# Altium PCB Copy of BGA_ACUity.PcbDoc (part 3 of 5)
Units mm, origin at the board's own origin, x right, y up, seen from the top; angles counter-clockwise.
Board outline 100 x 100.02 mm, 4 copper layers (TopSignal, Ground, Power, BottomSignal), stack 1.564 mm thick; 444 components, 319 nets, 2039 pads, 69 vias.
Unrouted connection lines stored in the file: 749.
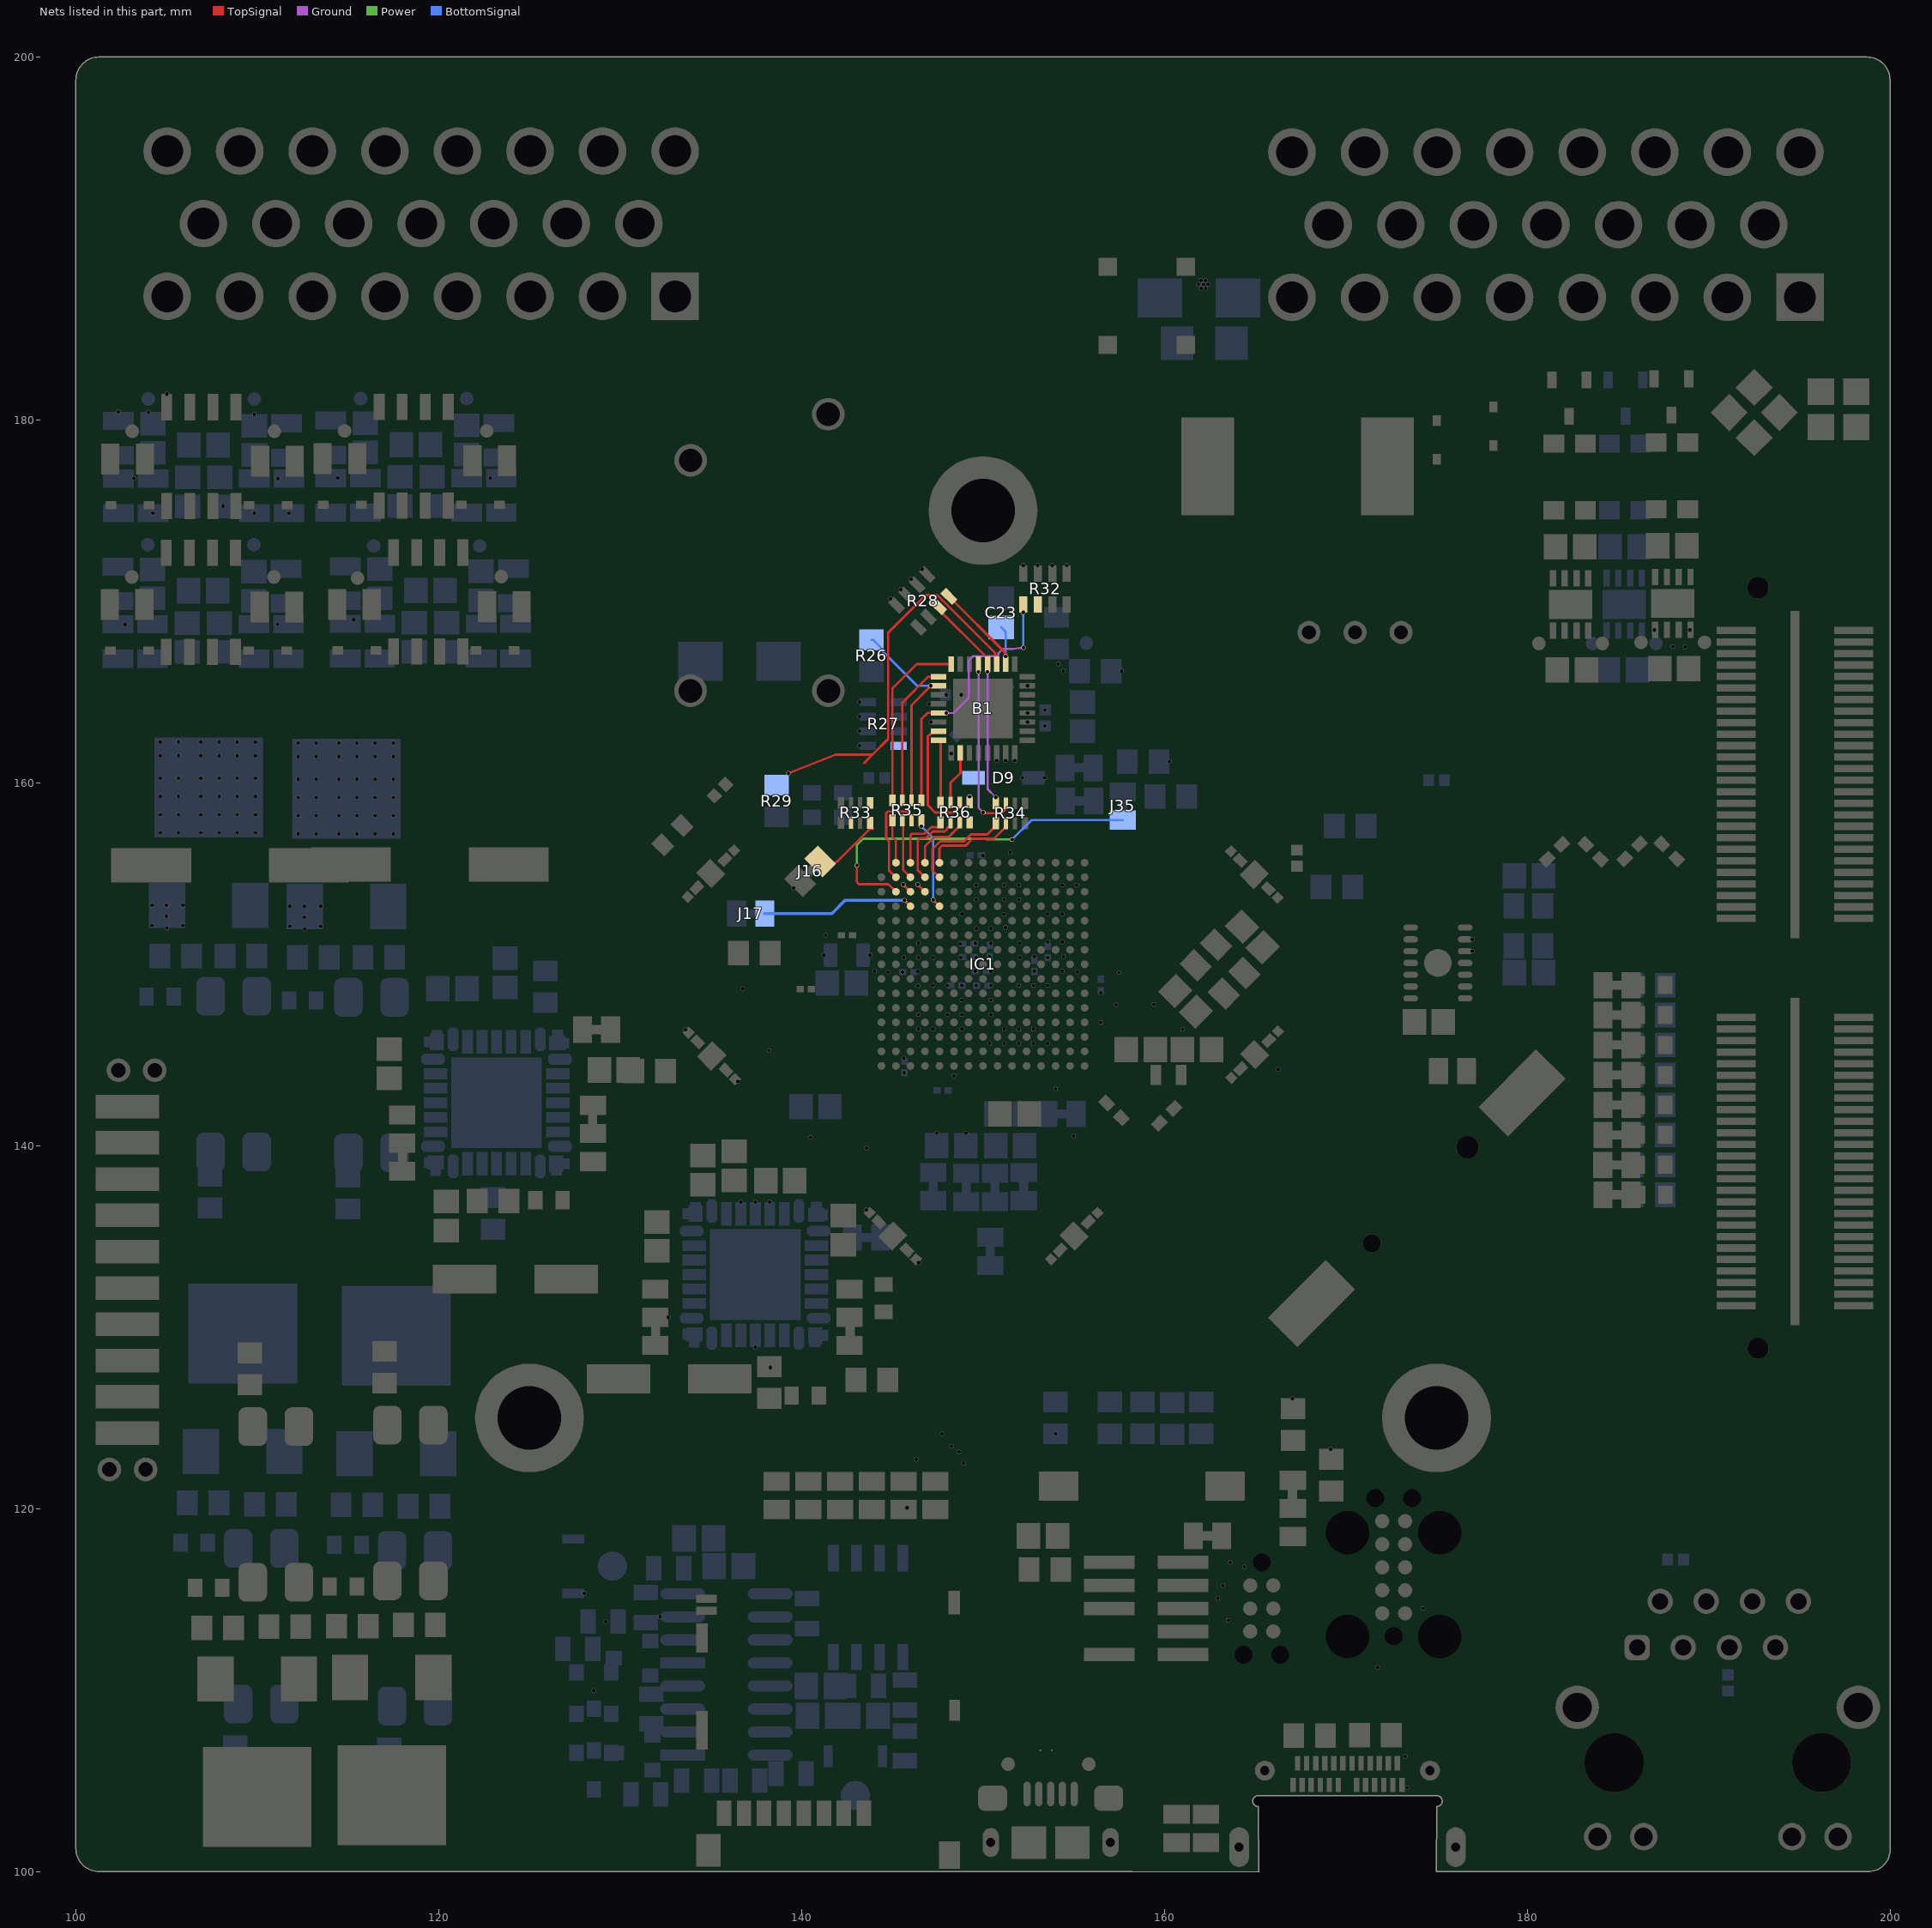
[diagram p5: the nets of this part, all layers, seen from the top]

## Footprints (in the part's own frame and the unit in brackets; to place one, negate y for a bottom-side part, rotate by r counter-clockwise, add the part's x,y. Pads: shape width x height; smd on the part's side, far side on the other; paste and mask are expansions set on the pad) (continued)
SOIC127P600X175-8N [mm] "SOIC, 8-Leads, Body 4.91x3.90mm, Pitch 1.27mm, IPC Medium Density"
  rect 1.45x0.6 smd: 1(-2.725,1.905) 2(-2.725,0.635) 3(-2.725,-0.635) 4(-2.725,-1.905) 5(2.725,-1.905) 6(2.725,-0.635) 7(2.725,0.635) 8(2.725,1.905)
  silkscreen extent -2.85,-2.5 1.6,2.88, body extent -3,-2.5 3,2.5, height 1.75
"Solder Bridge 805" [mm] "Closed Solder Bridge"
  rect 1x0.5 smd: _(0,0)
  rect 1.05x1.45 smd: P0(-0.775,0) P1(0.775,0)
"Solder Bridge 805 Open" [mm] "Open Solder Bridge"
  rect 1.05x1.45 smd: P0(-0.775,0) P1(0.775,0)
"Solder Bridge 805 switch" [mm] "Closed Solder Bridge"
  rect 1x0.5 smd: _(0.013,-0.002)
  rect 1.05x1.45 smd: P0(-0.775,0.025) P1(0.775,0.025) P2(2.324,0.025)
SON50P300X300X100-11N-D [mm]
  rect 1.45x0.3 smd: 1(-1.15,1) 2(-1.15,0.5) 3(-1.15,0) 4(-1.15,-0.5) 5(-1.15,-1) 6(1.15,-1) 7(1.15,-0.5) 8(1.15,0) 9(1.15,0.5) 10(1.15,1)
  rect 0.3x1.6 smd: 11(0,0)
  silkscreen extent -2,1.53 -1.75,1.77, body extent -1.55,-1.5 1.55,1.5, height 1
SON65P300X300X100-9N-D [mm]
  rect 0.9x0.35 smd: 1(-1.45,0.975) 2(-1.45,0.325) 3(-1.45,-0.325) 4(-1.45,-0.975) 5(1.45,-0.975) 6(1.45,-0.325) 7(1.45,0.325) 8(1.45,0.975)
  rect 1.6x2.4 smd: 9(0,0)
  silkscreen extent -2.02,1.52 -1.78,1.77, body extent -1.55,-1.5 1.55,1.5, height 1
SOT23-3_SM24CANB-02HTG_LTF-L [mil]
  rect 20.79x36.75 smd paste+0 mask+0: 1(-37.5,-39.53) 2(37.5,-39.53) 3(0,39.53)
  silkscreen extent -65,-91 65,32, body extent -60,-52 60,52, height 44
SOT230P700X180-4N [mm]
  rect 1.75x0.95 smd: 1(-3.15,2.3) 2(-3.15,0) 3(-3.15,-2.3)
  rect 1.75x3.25 smd: 4(3.15,0)
  silkscreen extent -4.03,-3.25 1.75,3.25, body extent -3.5,-3.25 3.5,3.25, height 1.8
TE_1-2295018-2 [mm]
  rect 0.3x0.8 smd mask+0.05: A1(-2.75,4.63) A2(-2.25,4.63) A3(-1.75,4.63) A4(-1.25,4.63) A5(-0.75,4.63) A6(-0.25,4.63) A7(0.25,4.63) A8(0.75,4.63) A9(1.25,4.63) A10(1.75,4.63) A11(2.25,4.63) A12(2.75,4.63) B1(3,3.43) B2(2.5,3.43) B3(2,3.43) B4(1.5,3.43) B5(1,3.43) B6(0.5,3.43) B7(-0.5,3.43) B8(-1,3.43) B9(-1.5,3.43) B10(-2,3.43) B11(-2.5,3.43) B12(-3,3.43)
  oval 1.1x2.2 hole 0.5 slot 1.6 at 90 deg mask+0.05: S1(-5.97,0) S2(5.97,0)
  round 1.1 hole 0.5 mask+0: S3(-4.55,4.22) S4(4.55,4.22)
  TopSignal region: 184 vertices and 0 holes, not listed, extent -5.1,3.295 -3.5,5.245
  TopSignal region: 184 vertices and 0 holes, not listed, extent 3.5,3.295 5.1,5.245
  BottomSignal region: 184 vertices and 0 holes, not listed, extent -5.1,3.295 -3.5,5.245
  BottomSignal region: 184 vertices and 0 holes, not listed, extent 3.5,3.295 5.1,5.245
  Keep-Out Layer board cut-out: 185 vertices and 0 holes, not listed, extent -4.8,3.495 -3.7,4.945
  Keep-Out Layer board cut-out: 185 vertices and 0 holes, not listed, extent 3.7,3.495 4.8,4.945
  Keep-Out Layer board cut-out: 4.92,2.84 -4.92,2.84 -4.936,2.84 -4.951,2.838 -4.967,2.836 -4.982,2.833 -4.998,2.83 -5.013,2.825 -5.028,2.82 -5.042,2.814 -5.056,2.807 -5.07,2.8 -5.083,2.792 -5.096,2.783 -5.109,2.773 -5.121,2.763 -5.132,2.752 -5.143,2.741 -5.153,2.729 -5.163,2.716 -5.172,2.703 -5.18,2.69 -5.187,2.676 -5.194,2.662 -5.2,2.648 -5.205,2.633 -5.21,2.618 -5.213,2.602 -5.216,2.587 -5.218,2.571 -5.22,2.556 -5.22,2.54 -5.22,2.524 -5.218,2.509 -5.216,2.493 -5.213,2.478 -5.21,2.462 -5.205,2.447 -5.2,2.432 -5.194,2.418 -5.187,2.404 -5.18,2.39 -5.172,2.377 -5.163,2.364 -5.153,2.351 -5.143,2.339 -5.132,2.328 -5.121,2.317 -5.109,2.307 -5.096,2.297 -5.083,2.288 -5.07,2.28 -5.056,2.273 -5.042,2.266 -5.028,2.26 -5.013,2.255 -4.998,2.25 -4.982,2.247 -4.967,2.244 -4.951,2.242 -4.936,2.24 -4.92,2.24 -4.92,-1.36 4.92,-1.36 4.92,2.24 4.936,2.24 4.951,2.242 4.967,2.244 4.982,2.247 4.998,2.25 5.013,2.255 5.028,2.26 5.042,2.266 5.056,2.273 5.07,2.28 5.083,2.288 5.096,2.297 5.109,2.307 5.121,2.317 5.132,2.328 5.143,2.339 5.153,2.351 5.163,2.364 5.172,2.377 5.18,2.39 5.187,2.404 5.194,2.418 5.2,2.432 5.205,2.447 5.21,2.462 5.213,2.478 5.216,2.493 5.218,2.509 5.22,2.524 5.22,2.54 5.22,2.556 5.218,2.571 5.216,2.587 5.213,2.602 5.21,2.618 5.205,2.633 5.2,2.648 5.194,2.662 5.187,2.676 5.18,2.69 5.172,2.703 5.163,2.716 5.153,2.729 5.143,2.741 5.132,2.752 5.121,2.763 5.109,2.773 5.096,2.783 5.083,2.792 5.07,2.8 5.056,2.807 5.042,2.814 5.028,2.82 5.013,2.825 4.998,2.83 4.982,2.833 4.967,2.836 4.951,2.838 4.936,2.84
  silkscreen extent -3.68,4.69 3.68,5.9, body extent -6.07,-3.27 6.07,4.83, height 2.43
"Test Pad Extra Small" [mm] "A small test pad for HF applications"
  round 0.4 smd mask+0.051: P2(0,0)
"Test Pad Miniscule" [mm] "A small test pad for HF applications"
  round 0.1 smd mask+0.051: P2(0,0)
"Test Pad Small"#1 [mm] "A small test pad for HF applications"
  round 0.75 smd mask+0.051: P2(0,0)
"Test Pad Small"#2 [mm] "A small test pad for HF applications"
  round 0.75 smd far side mask+0.051: P2(0,0)
"Test Pad Small"#3 [mm] "A small test pad for HF applications"
  round 0.75 smd far side mask+0.051: P2(0.254,0.09)
TSR1-SINGLE_TRP [mil]
  round 50 / inner round 60 / far side round 50 hole 30 paste-99999 mask+0: 1(0,0) 2(100,0) 3(200,0)
  silkscreen extent -220,-85 335,225, body extent -130,-75 330,220, height 399
VQFN24_RGE_TEX [mm]
  rect 0.783x0.229 smd paste+0 mask+0: 1(-1.953,1.25) 2(-1.953,0.75) 3(-1.953,0.25) 4(-1.953,-0.25) 5(-1.953,-0.75) 6(-1.953,-1.25) 13(1.953,-1.25) 14(1.953,-0.75) 15(1.953,-0.25) 16(1.953,0.25) 17(1.953,0.75) 18(1.953,1.25)
  rect 0.229x0.783 smd paste+0 mask+0: 7(-1.25,-1.953) 8(-0.75,-1.953) 9(-0.25,-1.953) 10(0.25,-1.953) 11(0.75,-1.953) 12(1.25,-1.953) 19(1.25,1.953) 20(0.75,1.953) 21(0.25,1.953) 22(-0.25,1.953) 23(-0.75,1.953) 24(-1.25,1.953)
  rect 2.794x1.549 smd paste+0 mask+0: 25(0,0.625)
  rect 2.794x0.94 smd paste+0 mask+0: 26(0,-0.95)
  silkscreen extent -2.17,-2.85 2.17,2.85, body extent -2.04,-2.04 2.04,2.04, height 0.99
WCAP-ASLL_D4H5.5 [mm] "Aluminium Electrolytic V-Chip SMT Capacitors, 4x5.5mm"
  rect 2.6x1.6 smd: 1(1.8,0) 2(-1.8,0)
  silkscreen extent -2.25,-2.25 2.25,2.25, body extent -2.5,-2.15 2.5,2.15, height 5.5
WCAP-ASLL_D6.3H7.7 [mm] "Aluminium Electrolytic V-Chip SMT Capacitors, 6.3x7.7mm"
  rect 3.5x1.6 smd: 1(2.8,0) 2(-2.8,0)
  silkscreen extent -3.4,-3.4 3.4,3.4, body extent -3.65,-3.3 3.65,3.3, height 7.7
WCAP-ASLL_D8H10.5 [mm] "Aluminium Electrolytic V-Chip SMT Capacitors, 8x10.5mm"
  rect 4.2x1.9 smd: 1(3.5,0) 2(-3.5,0)
  silkscreen extent -4.25,-4.25 4.25,4.25, body extent -4.5,-4.15 4.5,4.15, height 10.5
WCAP-ASLL_D10H10.5 [mm] "Aluminium Electrolytic V-Chip SMT Capacitors, 10x10.5mm"
  rect 4.4x1.9 smd: 1(4.35,0) 2(-4.35,0)
  silkscreen extent -5.25,-5.25 5.25,5.25, body extent -5.5,-5.15 5.5,5.15, height 10.5
WE-PD_1280 [mm] "SMT Shielded Power Inductor, 2-leads, body 12x12mm"
  rect 5.4x2.9 smd: 1(0,-4.95) 2(0,4.95)
  TopSignal keep-out region: -6,6 -2.9,6 -2.9,3.3 2.9,3.3 2.9,6 6,6 6,-6 2.9,-6 2.9,-3.3 -2.9,-3.3 -2.9,-6 -6,-6
  silkscreen extent -6.25,-7.02 6.25,6.25, body extent -6,-6 6,6, height 7.51
WE-SPXO_IQXO-791 [mm] "Simple Packaged Quartz Oscillator, body 2.5x2mm"
  rect 1x0.85 smd: 1(-0.85,-0.675) 2(0.85,-0.675) 3(0.85,0.675) 4(-0.85,0.675)
  silkscreen extent -1.92,-0.82 -1.68,-0.58, body extent -1.25,-1 1.25,1, height 0.85
WE-XTAL_CFPX-180 [mm] "Quartz Crystal, size CFPX-180, body 3.4x2.7mm"
  rect 1.4x1.15 smd: 1(-1.1,-0.8) 2(1.1,-0.8) 3(1.1,0.8) 4(-1.1,0.8)
  silkscreen extent -2.35,-0.85 -2.15,-0.65, body extent -1.7,-1.35 1.7,1.35, height 0.65
WE-XTAL_IQXC-25 [mm] "Quartz Crystal, size IQXC-25, body 2x1mm"
  rect 0.6x1.1 smd: 1(-0.7,0) 2(0.7,0)
  body extent -1,-0.6 1,0.6, height 0.55

## Part data
1 R70 R71 R72 R73 R74 R75 R76 R77 R78 R79 R80 R91: library part CMP-2001-04896-1, Manufacturer="Vishay Dale", Part Number=CRCW08050000Z0EA
B1: "The IDT1894-32 is a low-power, physical-layer device (PHY) that supports the ISO/IEC 10Base-T and 100Base-TX Carrier-Sense Multiple Access/Collision Detection (CSMA/CD) Ethernet standards, ISO/IEC 8802-3. The IDT1894-32 is intended for MII, Node applications that require the Auto-MDIX feature that automatically corrects crossover errors in plant wiring. The IDT1894-32 incorporates Digital-Signal Processing (DSP) control in its Physical-Medium Dependent (PMD) sub layer. As a result, it can transmit and recei", Manufacturer_Name="Renesas Electronics", Mouser Part Number=972-1894K-32LF, Datasheet Link=https://www.idt.com/document/dst/1894-32-datasheet, Geometry.Height=1mm, Manufacturer_Part_Number=1894K-32LF, Mouser Price/Stock=https://www.mouser.co.uk/ProductDetail/Renesas-IDT/1894K-32LF?qs=JcGQCygHkIbsoRijcJxryA%3D%3D
B2: "COILCRAFT - 0805AF-222XJRC - Wirewound Inductor, 2.2 H, 0.98 ohm, 105 MHz, 350 mA, 0805 [2012 Metric], 0805AF Series", Manufacturer_Name=COILCRAFT, Datasheet Link=https://4donline.ihs.com/images/VipMasterIC/IC/COLC/COLC-S-A0013795668/COLC-S-A0013956448-1.pdf?hkey=6D3A4C79FDBF58556ACFDE234799DDF0, Geometry.Height=1.52mm, Manufacturer_Part_Number=0805AF-222XJRC
BT1: library part CMP-00029-00001-1, "Batteries/Accessories", RoHS Compliant=Yes
C1: library part 0805B105K160CT, "CAP CER 1UF 16V X7R 0805", Capacitance="1 µF", Device Package="0805 (2012 Metric)", Manufacturer="Walsin Technology Corporation", Operating Temperature="-55°C ~ 125°C", Supplier Part Number 1=1292-0805B105K160CT-ND, Temperature Coefficient=X7R, Tolerance=±10%, Voltage - Rated=16V, Applications="General Purpose", ComponentLink1Description=Datasheet, ComponentLink1URL=https://www.passivecomponent.com/wp-content/uploads/datasheet/WTC_MLCC_General_Purpose.pdf, ComponentLink2Description="DigiKey Link", ComponentLink2URL=https://www.digikey.com/en/products/detail/walsin-technology-corporation/0805B105K160CT/6707557, LastUpdated="09/02/2024 20:15:01", Lifecycle Status=Active, Minimum Order=1, Mounting Type="Surface Mount, MLCC", Package / Case="0805 (2012 Metric)", Packaging=TapeAndReel, Part Number=0805B105K160CT, Part Status=Active, PartId=39843, Price=0.01, Series=-, Size / Dimension="0.079\" L x 0.049\" W (2.00mm x 1.25mm)", Supplier 1=DigiKey, Thickness (Max)="0.053\" (1.35mm)"
C2 C3 C4 C5: library part VJ0805D150JXPQJHT, "CAP CER 15PF 250V C0G/NP0 0805", Capacitance="15 pF", Device Package="0805 (2012 Metric)", Manufacturer="Vishay Vitramon", Operating Temperature="-55°C ~ 200°C", Supplier Part Number 1=720-VJ0805D150JXPQJHTCT-ND, Temperature Coefficient="C0G, NP0", Tolerance=±5%, Voltage - Rated=250V, Applications="RF, Microwave, High Frequency", ComponentLink1Description=Datasheet, ComponentLink1URL=https://www.vishay.com/docs/45239/vjhifreqht.pdf, ComponentLink2Description="DigiKey Link", ComponentLink2URL=https://www.digikey.com/en/products/detail/vishay-vitramon/VJ0805D150JXPQJHT/14292748, Features="High Temperature", LastUpdated="04/02/2024 20:15:19", Lifecycle Status=Active, Minimum Order=1, Mounting Type="Surface Mount, MLCC", Package / Case="0805 (2012 Metric)", Packaging=TapeAndReel, Part Number=VJ0805D150JXPQJHT, Part Status=Active, PartId=31685, Price=0.11, Series="VJ HIFREQ HT", Size / Dimension="0.079\" L x 0.049\" W (2.00mm x 1.25mm)", Supplier 1=DigiKey, Thickness (Max)="0.057\" (1.45mm)"
C8 C15 C16 C17 C19 C20 C21 C22 C25: library part CL05B104KP5VPNC, "CAP CER 100NF 10V X7R 0402", Device Package="0402 (1005 Metric)", Manufacturer="Samsung Electro-Mechanics", Operating Temperature="-55°C ~ 125°C", Ratings=AEC-Q200, Supplier Part Number 1=1276-CL05B104KP5VPNCCT-ND, Temperature Coefficient=X7R, Tolerance=±10%, Voltage - Rated=10V, Applications=Automotive, Capacitance="0.1 µF", ComponentLink1Description=Datasheet, ComponentLink1URL=https://mm.digikey.com/Volume0/opasdata/d220001/medias/docus/5458/CL05B104KP5VPNC_Spec.pdf, ComponentLink2Description="DigiKey Link", ComponentLink2URL=https://www.digikey.com/en/products/detail/samsung-electro-mechanics/CL05B104KP5VPNC/20498482, LastUpdated="02/02/2024 20:03:11", Lifecycle Status=Active, Minimum Order=1, Mounting Type="Surface Mount, MLCC", Package / Case="0402 (1005 Metric)", Packaging=TapeAndReel, Part Number=CL05B104KP5VPNC, PartId=56690, Price=0.01, Series=CL, Size / Dimension="0.039\" L x 0.020\" W (1.00mm x 0.50mm)", Supplier 1=DigiKey, Thickness (Max)="0.022\" (0.55mm)"
C9 C10 C34 C35 C37 C38 C39 C59 C63 C64 C65 C66 C70 C71 C72 C73 C82 C83 C84 C85 C86 U_ADC-Filter0_C81 U_ADC-Filter1_C81 U_ADC-Filter2_C81 U_ADC-Filter3_C81: library part C2012X7R1A106K125AE, "CAP CER 10UF 10V X7R 0805", Capacitance="10 µF", Device Package="0805 (2012 Metric)", Manufacturer="TDK Corporation", Operating Temperature="-55°C ~ 125°C", Supplier Part Number 1=445-173616-1-ND, Temperature Coefficient=X7R, Tolerance=±10%, Voltage - Rated=10V, Applications="Boardflex Sensitive", ComponentLink1Description=Datasheet, ComponentLink1URL=https://product.tdk.com/info/en/catalog/datasheets/mlcc_commercial_soft_en.pdf?ref_disty=digikey, ComponentLink2Description="DigiKey Link", ComponentLink2URL=https://www.digikey.com/en/products/detail/tdk-corporation/C2012X7R1A106K125AE/5809181, Features="Soft Termination", LastUpdated="30/01/2024 20:15:17", Lifecycle Status=Active, Minimum Order=1, Mounting Type="Surface Mount, MLCC", Package / Case="0805 (2012 Metric)", Packaging=TapeAndReel, Part Number=C2012X7R1A106K125AE, Part Status=Active, PartId=3036, Price=0.07, Series=C, Size / Dimension="0.079\" L x 0.049\" W (2.00mm x 1.25mm)", Supplier 1=DigiKey, Thickness (Max)="0.059\" (1.50mm)"
C12: library part VJ0805Y104MXAMR, "CAP CER 0.1UF 50V X7R 0805", Device Package="0805 (2012 Metric)", Manufacturer="Vishay Vitramon", Operating Temperature="-55°C ~ 150°C", Supplier Part Number 1=720-1755-1-ND, Temperature Coefficient=X7R, Tolerance=±20%, Voltage - Rated=50V, Applications="General Purpose", Capacitance="0.1 µF", ComponentLink1Description=Datasheet, ComponentLink1URL=http://www.vishay.com/docs/45199/vjcommercialseries.pdf, ComponentLink2Description="DigiKey Link", ComponentLink2URL=https://www.digikey.com/en/products/detail/vishay-vitramon/VJ0805Y104MXAMR/8311084, LastUpdated="04/02/2024 20:15:56", Lifecycle Status=Active, Minimum Order=1, Mounting Type="Surface Mount, MLCC", Package / Case="0805 (2012 Metric)", Packaging=TapeAndReel, Part Number=VJ0805Y104MXAMR, Part Status=Active, PartId=14439, Price=0.09, Series=VJ, Size / Dimension="0.079\" L x 0.049\" W (2.00mm x 1.25mm)", Supplier 1=DigiKey, Thickness (Max)="0.057\" (1.45mm)"
C13 C14: library part VJ0805D150JXPQJHT, "CAP CER 15PF 250V C0G/NP0 0805", Device Package="0805 (2012 Metric)", Manufacturer="Vishay Vitramon", Operating Temperature="-55°C ~ 200°C", Supplier Part Number 1=720-VJ0805D150JXPQJHTCT-ND, Temperature Coefficient="C0G, NP0", Tolerance=±5%, Voltage - Rated=250V, Applications="RF, Microwave, High Frequency", Capacitance="15 pF", ComponentLink1Description=Datasheet, ComponentLink1URL=https://www.vishay.com/docs/45239/vjhifreqht.pdf, ComponentLink2Description="DigiKey Link", ComponentLink2URL=https://www.digikey.com/en/products/detail/vishay-vitramon/VJ0805D150JXPQJHT/14292748, Features="High Temperature", LastUpdated="04/02/2024 20:15:19", Lifecycle Status=Active, Minimum Order=1, Mounting Type="Surface Mount, MLCC", Package / Case="0805 (2012 Metric)", Packaging=TapeAndReel, Part Number=VJ0805D150JXPQJHT, Part Status=Active, PartId=31685, Price=0.11, Series="VJ HIFREQ HT", Size / Dimension="0.079\" L x 0.049\" W (2.00mm x 1.25mm)", Supplier 1=DigiKey, Thickness (Max)="0.057\" (1.45mm)"
C18: library part 0805B225K250CT, "CAP CER 2.2UF 25V X7R 0805", Device Package="0805 (2012 Metric)", Manufacturer="Walsin Technology Corporation", Operating Temperature="-55°C ~ 125°C", Supplier Part Number 1=1292-0805B225K250CT-ND, Temperature Coefficient=X7R, Tolerance=±10%, Voltage - Rated=25V, Applications="General Purpose", Capacitance="2.2 µF", ComponentLink1Description=Datasheet, ComponentLink1URL=https://www.passivecomponent.com/wp-content/uploads/datasheet/WTC_MLCC_General_Purpose.pdf, ComponentLink2Description="DigiKey Link", ComponentLink2URL=https://www.digikey.com/en/products/detail/walsin-technology-corporation/0805B225K250CT/14836806, LastUpdated="09/02/2024 20:15:01", Lifecycle Status=Active, Minimum Order=1, Mounting Type="Surface Mount, MLCC", Package / Case="0805 (2012 Metric)", Packaging=TapeAndReel, Part Number=0805B225K250CT, Part Status=Active, PartId=40661, Price=0.03, Series=-, Size / Dimension="0.079\" L x 0.049\" W (2.00mm x 1.25mm)", Supplier 1=DigiKey, Thickness (Max)="0.057\" (1.45mm)"
C23: library part NMC0805X5R106K6.3TRPLP2KF, "CAP SMT080510F6.3VDC 10uF Specialised", Device Package="0805 (2012 Metric)", Manufacturer="NIC Components Corp", Operating Temperature="-55°C ~ 85°C", Supplier Part Number 1=4988-NMC0805X5R106K6.3TRPLP2KFCT-ND, Temperature Coefficient=X5R, Tolerance=±10%, Voltage - Rated=6.3V, Applications="General Purpose", Capacitance="10 µF", ComponentLink1Description=Datasheet, ComponentLink1URL=https://www.niccomp.com/quickbuilder/qbpn.php?pNumber=NMC0805X5R106K6.3TRPLP2KF, ComponentLink2Description="DigiKey Link", ComponentLink2URL=https://www.digikey.com/en/products/detail/nic-components-corp/NMC0805X5R106K6-3TRPLP2KF/18896026, Features="Low ESL, Low ESR", LastUpdated="09/02/2024 20:13:27", Lifecycle Status=Active, Minimum Order=1, Mounting Type="Surface Mount, MLCC", Package / Case="0805 (2012 Metric)", Packaging=TapeAndReel, Part Number=NMC0805X5R106K6.3TRPLP2KF, PartId=56029, Price=0.03, Series="NMC High CV", Size / Dimension="0.079\" L x 0.049\" W (2.00mm x 1.25mm)", Supplier 1=DigiKey, Thickness (Max)="0.057\" (1.45mm)"
C24: library part CBR04C150J5GAC, "CAP CER 15PF 50V C0G/NP0 0402", Device Package="0402 (1005 Metric)", Manufacturer=KEMET, Operating Temperature="-55°C ~ 125°C", Supplier Part Number 1=399-6170-1-ND, Temperature Coefficient="C0G, NP0", Tolerance=±5%, Voltage - Rated=50V, Applications="RF, Microwave, High Frequency", Capacitance="15 pF", ComponentLink1Description=Datasheet, ComponentLink1URL=https://api.kemet.com/component-edge/download/datasheet/CBR04C150J5GAC.pdf, ComponentLink2Description="DigiKey Link", ComponentLink2URL=https://www.digikey.com/en/products/detail/kemet/CBR04C150J5GAC/2732287, Features="High Q, Low Loss, Ultra Low ESR", LastUpdated="09/02/2024 20:04:38", Lifecycle Status=Active, Minimum Order=1, Mounting Type="Surface Mount, MLCC", Package / Case="0402 (1005 Metric)", Packaging=TapeAndReel, Part Number=CBR04C150J5GAC, Part Status=Active, PartId=1728, Price=0.02, Series="CBR-SMD RF C0G", Size / Dimension="0.039\" L x 0.020\" W (1.00mm x 0.50mm)", Supplier 1=DigiKey, Thickness (Max)="0.022\" (0.55mm)"
C26 C27 C29: library part CL21Y106KPQVPNE, "CAP CER 10UF 10V X7S 0805", Device Package="0805 (2012 Metric)", Manufacturer="Samsung Electro-Mechanics", Operating Temperature="-55°C ~ 125°C", Ratings=AEC-Q200, Supplier Part Number 1=1276-6685-1-ND, Temperature Coefficient=X7S, Tolerance=±10%, Voltage - Rated=10V, Applications=Automotive, Capacitance="10 µF", ComponentLink1Description=Datasheet, ComponentLink1URL=http://www.samsungsem.com/kr/support/product-search/mlcc/CL21Y106KPQVPNE.jsp, ComponentLink2Description="DigiKey Link", ComponentLink2URL=https://www.digikey.com/en/products/detail/samsung-electro-mechanics/CL21Y106KPQVPNE/5961169, LastUpdated="06/02/2024 20:15:48", Lifecycle Status=Active, Minimum Order=1, Mounting Type="Surface Mount, MLCC", Package / Case="0805 (2012 Metric)", Packaging=TapeAndReel, Part Number=CL21Y106KPQVPNE, Part Status=Active, PartId=2979, Price=0.06, Series=CL, Size / Dimension="0.079\" L x 0.049\" W (2.00mm x 1.25mm)", Supplier 1=DigiKey, Thickness (Max)="0.055\" (1.40mm)"
C30 C32: library part 865060453006, "WCAP-ASLL Aluminum Electrolytic Capacitor, V-Chip, D8 x H10.5mm, 150µF, 25V", Capacitance Tolerance=+/-20%, Leakage Current=37.5uA, Manufacturer="Wurth Elektronik", Operating Temperature Max=105°C, Operating Temperature Min=-55°C, Rated Voltage (DC)=25V, Ripple Current=500mA, Capacitance=150uF, Category="Aluminum Electrolytic Capacitors", ComponentLink1Description="Website Link", ComponentLink1URL=https://www.we-online.com/redexpert/article/865060453006?ad, ComponentLink2Description="Datasheet Link", ComponentLink2URL=https://www.we-online.com/redexpert/spec/865060453006?ad, Diameter=8mm, Dissipation Factor=14%, Endurance=5000h, Height=10.5mm, Manufacturer Part Number=865060453006, Match Code=WCAP-ASLL, Mount="Surface Mount", Packaging="Tape and Reel", Technical Reference=ASEE105151M025DVCTEE000
C31 C33: library part CAP_0805_10V, "Capacitor SMD 0805 10V"
C36: library part VJ0805V225MXQTW1BC, "CAP CER 2.2UF 10V Y5V 0805", Capacitance="2.2 µF", Device Package="0805 (2012 Metric)", Manufacturer="Vishay Vitramon", Operating Temperature="-25°C ~ 85°C", Supplier Part Number 1=720-VJ0805V225MXQTW1BCCT-ND, Temperature Coefficient="Y5V (F)", Tolerance=±20%, Voltage - Rated=10V, Applications="General Purpose", ComponentLink1Description=Datasheet, ComponentLink1URL=https://www.vishay.com/docs/28548/vjw1bcbascomseries.pdf, ComponentLink2Description="DigiKey Link", ComponentLink2URL=https://www.digikey.com/en/products/detail/vishay-vitramon/VJ0805V225MXQTW1BC/8310634, LastUpdated="04/02/2024 20:15:35", Lifecycle Status=Active, Minimum Order=1, Mounting Type="Surface Mount, MLCC", Package / Case="0805 (2012 Metric)", Packaging=TapeAndReel, Part Number=VJ0805V225MXQTW1BC, Part Status=Active, PartId=26419, Price=0.06, Series=VJ, Size / Dimension="0.079\" L x 0.049\" W (2.00mm x 1.25mm)", Supplier 1=DigiKey, Thickness (Max)="0.053\" (1.35mm)"